# Altium PCB PCB_monitoring_IO.PcbDoc (continued)
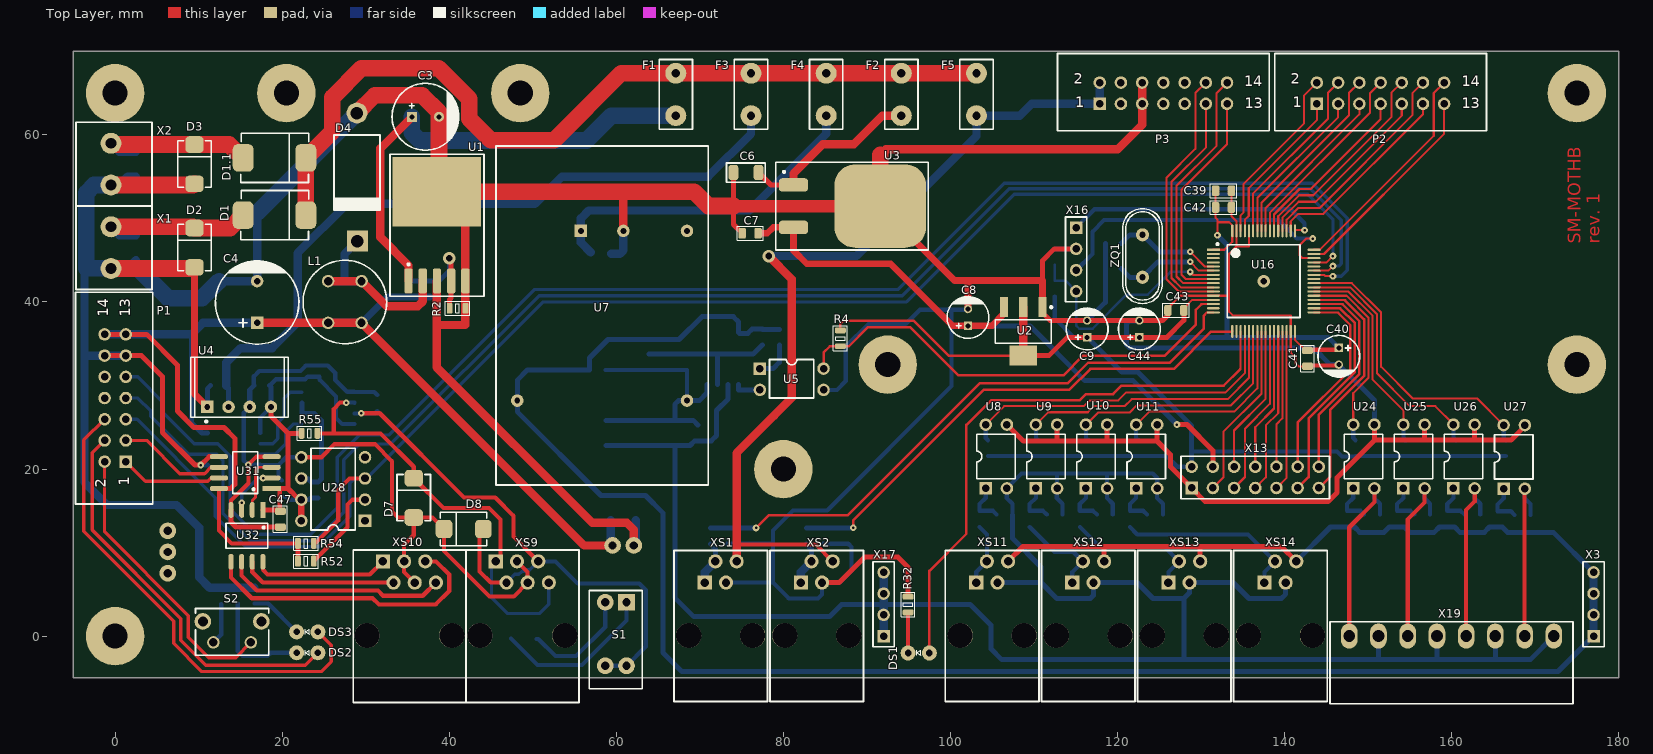
[diagram p0: Top Layer view]
## Nets (pads, with @x,y where several pads share a name; then routed paths per layer and width w, separated by ;. In a path a pad name is that pad's centre, name@x,y a point inside that pad or via, vN(x,y) a via of type N, cw(c..) or ccw(c..) an arc to the next point about the centre after c; other vN are vias at no path point)
1-WIRE1: U16.28 X13.4 | length 19.9
  Top Layer w0.25: X13.4 137.775,19.005 137.775,25.225 139.25,26.7 U16.28
1-WIRE1_T: 
1-WIRE2: U16.29 X13.10 | length 16.5
  Top Layer w0.25: X13.10 139.04,25.365 139.75,26.075 U16.29
1-WIRE2_T: 
1-WIRE3: U16.30 X13.5 | length 19.2
  Top Layer w0.25: X13.5 140.25,18.94 U16.30
1-WIRE3_T: 
3.3V: C9.1 C39.1 C40.1 C41.1 C42.1 C43.1 C44.1 R4.2 R12.1 R14.1 R16.1 R22.1 R41.1 R43.1 R46.1 R47.1 R50.1 U2.2 U2.4 U16.1 U16.13 U16.32 U16.64 X13.14 | length 204.8
  Top Layer w0.25: C43.1 127.95,39.225 128.975,40.25 U16.13 ; U16.1 132.8,46.25 133.75,47.2 U16.64 133.75,49.175 133.375,49.55 131.975,49.55 ; C39.1 C42.1 131.75,50.075 131.975,49.85 v1(131.975,48) ; U16.32 141.25,35.475 142.525,34.2 C41.1
  Top Layer w0.3: R4.2 86.825,37.4 87.2,37.775 95.575,37.775 99.775,33.575 U2.4
  Top Layer w0.5: C41.1 142.825,34.275 146.275,34.275 C40.1
  Top Layer w0.6: U2.4 111.775,33.575 113.975,35.775 C9.1 C44.1 125.925,35.775 127.95,37.8 C43.1
  Top Layer w1: U2.4 U2.2
  Bottom Layer w0.5: R12.1 R22.1 125.875,21.55 127.155,20.27 X13.14 ; R46.1 112.5,38 114.725,35.775 C9.1 ; 128.9,22.1 146.3,22.1 146.9,21.5 148.45,21.5 R41.1 R43.1 R47.1 R50.1
  Bottom Layer w0.6: C9.1 120.525,31.625 122.425,31.625 128.88,25.17 X13.14 ; C44.1 133.1,35.775 ; v1(131.975,48) 133.1,46.875 133.1,35.775 ; C40.1 145.225,35.775 133.1,35.775
3.3V_T: 
5V: C7.2 C8.1 U2.3 U3.2 X13.13 | length 75.1
  Top Layer w0.6: v1(127.125,25.325) 128.325,25.325 131.42,22.23 X13.13
  Top Layer w0.8: C7.2 78.075,48.225 78.785,48.935 U3.2@81.231,48.935 ; U3.2 81.206,46.169 82.8,44.575 92.825,44.575 100.25,37.15 C8.1 104.975,37.15 106.425,38.6 U2.3
  Bottom Layer w0.6: C8.1 109.525,37.15 116.1,30.575 121.875,30.575 v1(127.125,25.325)
5V_BUS: C10.1 C45.1 C46.2 C47.2 R53.2 R55.2 U4.4 U28.7 U28.8 U29.8 U30.1 U31.1 U32.1 | length 48.8
  Top Layer w0.5: C47.2@19.7,15.1 U31.1@19.7,17.67
  Top Layer w0.6: U32.1 19.625,15.1 C47.2 ; U4.4 18.652,26.323 20.7,24.275 ; U31.1 19.7,17.67 20.7,17.67 ; U28.7 22.04,16.33 20.7,17.67 ; R55.2 20.7,24.275 ; 20.7,17.67 20.7,24.275
  Top Layer w0.8: U28.8 U28.7
  Bottom Layer w0.5: U30.1 17.375,26.169 U4.4 ; C10.1@18.75,30.25 19.25,30.75 22.75,30.75 23.05,31.05 C46.2 24.45,30.7 26.45,28.7 26.45,26.125 27.18,25.395 U29.8 ; C45.1 20.35,16.725 20.745,16.33 U28.7
  Bottom Layer w0.6: C10.1 18.652,29.823 U4.4 ; U28.7 23.255,16.33 23.45,16.525 R53.2
5V_CPU: C2.1 C4.1 C48.2 L1.1 P1.13 P1.14 pad.0@59.55,10.85 R1.2 R52.2 R54.2 U30.8 U31.8 | length 150.8
  Top Layer w0.5: U31.8 12.425,12.625 13.95,11.1 R54.2
  Top Layer w0.6: P1.14 3.77,36.12 7.45,32.44 7.45,26.95 9.425,24.975 13.025,24.975 14.325,23.675 14.325,18.175 13.82,17.67 U31.8 ; R52.2 R54.2
  Top Layer w1: C4.1 25.5,37.5 29.5,37.5 56.15,10.85 pad.0@59.55,10.85
  Bottom Layer w0.6: 9.12,36.12 9.12,25.58 10.395,24.305 U30.8
  Bottom Layer w0.8: L1.1@29.5,37.5 32.6,40.6 C2.1 R1.2
  Bottom Layer w1: P1.14 9.12,36.12 10.5,37.5 C4.1 ; L1.1@25.5,37.5 L1.1@29.5,37.5 ; C48.2 59.325,11.075 pad.0@59.55,10.85
5V_T: 
12V: F5.1 P3.1 P3.2 XS1.4 XS2.4 | length 103.9
  Top Layer w0.5: 74.405,10.95 83.9,10.95 XS2.4
  Top Layer w1: XS1.4 74.405,21.905 78.9,26.4 81,28.5 81,42.75 v2(78.25,45.5)
  Bottom Layer w1: v2(78.25,45.5) 88.75,45.5 103.125,59.875 F5.1 108.31,62.31 109.73,63.73 P3.1 P3.2
12V_B: 
12V_EXT: C14.2 R3.1 R5.2 R42.2 R44.2 R48.2 R51.2 U6.8 U7.3 X3.1 X3.2 X3.3 X3.4 XS11.4 XS12.4 XS13.4 XS14.4 | length 282.5
  Top Layer w0.6: XS11.4 108.685,10.725 118.405,10.725 ; XS12.4 118.405,10.725 ; XS13.4 129.905,10.725 ; XS14.4 139.625,10.725 129.905,10.725 ; 118.405,10.725 129.905,10.725
  Bottom Layer w0.6: R3.1 77.5,36.725 R5.2 76.25,36.75 75.75,36.25 74.755,36.25 U6.8 74.655,37.595 74,38.25 70.25,38.25 67.5,35.5 59,35.5 56.8,33.3 C14.2 49.35,31.85 48.14,30.64 48.14,26.86 58.175,16.825 63.5,16.825 65.575,14.75 65.575,-1.975 67.85,-4.25 172.75,-4.25 X3.1 ; XS14.4 145.51,13.05 148.375,13.05 149,12.425 151.925,12.425 152.55,13.05 R44.2 154.375,13.05 155,12.425 157.925,12.425 158.55,13.05 R48.2 160.375,13.05 161,12.425 163.925,12.425 164.55,13.05 R51.2 166.075,13.05 166.7,12.425 172.195,12.425 X3.4
  Bottom Layer w1: X3.1 X3.2 X3.3 X3.4
12V_EXT_T: 
12V_IN1: C1.2 D1.1 D2.2 X1.1 | length 19.9
  Top Layer w2: X1.1 9.35,49 D2.2 13.775,48.85 D1.1
  Bottom Layer w1: X1.1 0.5,48 C1.2
12V_IN2: C5.2 D1.1.1 D3.2 X2.1 | length 19.9
  Top Layer w2: X2.1@-0.5,58.85 D3.2 13.625,58.85 D1.1.1@15.325,57.15
  Bottom Layer w1: X2.1 0.5,58 C5.2
12V_INT: D1.1.2 D1.2 F1.2 F2.2 F3.2 F4.2 F5.2 | length 102.3
  Top Layer w2: D1.2 D1.1.2 26,60.425 26,64.5 29.5,68 38.725,68 42.375,64.35 42.375,61.95 44.95,59.375 52.575,59.375 60.59,67.39 F1.2 F3.2 F4.2 F5.2
A: D7.2 R55.1 R57.1 R58.1 U29.6 XS9.1 XS9.6 | length 53.2
  Top Layer w0.5: R55.1 24.25,24.25 26.175,24.25 ; v1(27.65,27.95) 26.925,27.95 26.175,27.2 26.175,24.25 ; XS9.1 46.15,9.52 46.15,13.95 44.775,15.325 39.325,15.325 D7.2 35.75,20.275 31.775,24.25 26.175,24.25
  Bottom Layer w0.4: XS9.1 45.05,8.42 45.05,4.65 47,2.7 50.8,2.7 51.925,3.825 XS9.6
  Bottom Layer w0.5: v1(27.65,27.95) 28.635,27.95 U29.6
B: D8.1 R56.1 S1.3 S1.4 U29.7 XS9.2 XS9.5 | length 73.6
  Top Layer w0.5: v1(29.45,26.675) 31.675,26.675 41.775,16.575 45.5,16.575 47.675,14.4 47.675,11.925 XS9.5 ; D8.1 43.625,12.375 43.625,7.75 44.97,6.405 XS9.2
  Bottom Layer w0.4: XS9.2 47.84,7.4 48.338,7.4 48.663,7.725 49,7.725 49.225,7.95 49.66,7.95 XS9.5
  Bottom Layer w0.5: U29.7 29.44,26.665 v1(29.45,26.675) 31.1,26.675 R56.1 ; XS9.5 52.73,8.945 55.375,6.3 62.75,6.3 63.525,5.525 63.525,-1.255 S1.4 S1.3
B_OPR1: 
B_OPR2: 
B_OPR3: 
B_OPR4: 
B_OSR1: 
B_OSR2: 
B_OSR3: 
B_OSR4: 
B_OSR5: 
B_OSR6: 
B_OSR7: 
B_OSR8: 
B_OSR9: 
B_OSR10: 
B_OSR11: 
B_OSR12: 
B_OSR13: 
B_OSR14: 
C_OPR1: 
C_OPR2: 
C_OPR3: 
C_OPR4: 
C_OSR1: 
C_OSR2: 
C_OSR3: 
C_OSR4: 
C_OSR5: 
C_OSR6: 
C_OSR7: 
C_OSR8: 
C_OSR9: 
C_OSR10: 
C_OSR11: 
C_OSR12: 
C_OSR13: 
C_OSR14: 
DCI1: 
DCI2: 
DCI3: 
DCI4: 
DCI5: C32.2 U24.2 X19.1 | length 22.4
  Top Layer w0.5: X19.1 147.75,13.025 150.77,16.045 U24.2
  Bottom Layer w0.5: U24.2 150.737,17.657 150.737,16.546 151.437,15.846 C32.2@151.437,14.546
DCI6: C34.2 U25.2 X19.3 | length 22
  Top Layer w0.5: X19.3 154.75,13.975 156.77,15.995 U25.2
  Bottom Layer w0.5: U25.2 156.737,17.657 156.737,16.546 157.437,15.846 C34.2@157.437,14.546
DCI7: C36.2 U26.2 X19.5 | length 21.6
  Top Layer w0.5: X19.5 161.75,15.1 162.77,16.12 U26.2
  Bottom Layer w0.5: U26.2 162.737,17.657 162.737,16.546 163.437,15.846 C36.2@163.437,14.546
DCI8: C38.2 U27.2 X19.7 | length 21.1
  Top Layer w0.5: X19.7 168.75,17.611 U27.2
  Bottom Layer w0.5: U27.2 168.75,17.611 168.75,16.5 169.45,15.8 C38.2
DI1: R13.2 XS11.1 XS11.2 | length 7.5
  Bottom Layer w0.5: XS11.1 103.095,7.675 XS11.2 104.375,8.955 104.375,12.175 R13.2
DI2: R15.2 XS12.1 XS12.2 | length 11.1
  Bottom Layer w0.5: R15.2 112.45,10.1 114.71,10.1 XS12.2 114.595,7.675 XS12.1
DI3: R19.2 XS13.1 XS13.2 | length 16.6
  Bottom Layer w0.5: R19.2 117.8,10.75 125.56,10.75 XS13.2 126.095,7.675 XS13.1
DI4: R23.2 XS14.1 XS14.2 | length 22.1
  Bottom Layer w0.5: R23.2 122.375,12.175 135.635,12.175 XS14.2 137.595,7.675 XS14.1
DI5: 
DI6: 
DI7: 
DI8: 
FA: U32.8 XS10.1 | length 16.2
  Top Layer w0.5: U32.8 17.68,7.945 18.25,7.375 30.48,7.375 XS10.1
FB\: U32.7 XS10.2 | length 18.7
  Top Layer w0.5: U32.7 16.41,7.665 17.67,6.405 XS10.2
FY: U32.5 XS10.5 | length 35.5
  Top Layer w0.5: U32.5 13.87,7.005 16.35,4.525 30.825,4.525 31.575,3.775 38.375,3.775 40,5.4 40,7.375 38.43,8.945 XS10.5
FZ\: U32.6 XS10.6 | length 26.6
  Top Layer w0.5: U32.6 15.14,7.26 16.95,5.45 31.45,5.45 32.075,4.825 36.82,4.825 XS10.6
GND: C1.1 C3.2 C4.2 C5.1 C6.1 C7.1 C8.2 C9.2 C11.2 C12.1 C20.2 C21.2 C28.1 C30.1 C35.2 C39.2 C40.2 C41.2 C42.2 C43.2 C44.2 C48.1 D2.1 D3.1 D4.1 P1.11 P1.12 P3.5 P3.6 pad.1 R2.1 R20.2 R21.2 R32.2 R59.2 R60.2 R61.2 U1.3 U1.5 U1.6 U2.1 U3.3 U4.1 U5.3 U7.2 U8.3 U9.3 U10.3 U11.3 U16.12 U16.31 U16.60 U16.63 U24.3 U25.3 U26.3 U27.3 U30.5 U31.5 X1.2 X2.2 X13.1 X16.2 XS1.3 XS2.3 | length 742.3
  Top Layer w0.25: C43.2 126.05,39.275 127.525,40.75 U16.12 133.375,40.75 ; C39.2 C42.2 133.65,50.25 134.25,49.65 U16.63 134.25,46.65 ; U16.60 135.75,46.65 134.25,46.65 ; C41.2 141.7,32.3 141.325,32.675 141.325,33.358 140.75,33.933 U16.31 140.75,38.4 133.8,38.4 133.375,38.825 133.375,40.75 ; 133.375,40.75 133.375,45.775 134.25,46.65
  Top Layer w0.5: C41.2 142.85,32.4 146.4,32.4 C40.2
  Top Layer w0.6: P1.12 3.145,33.58 5.675,31.05 5.675,24.35 9.55,20.475 v1(10.25,20.475) 11.255,21.48 U31.5 ; 74.025,51.475 74.025,49.275 C7.1 ; 74.025,51.5 C6.1 ; XS2.3 86.68,6.405 89.725,9.45 93.725,9.45 94.925,8.25 R32.2 ; U8.3 108.73,23.35 112.725,23.35 ; U2.1 111.025,38.7 111.95,37.775 C9.2 C44.2 125.4,37.775 126.05,38.425 C43.2 ; 111.025,42.575 111.025,44.95 112.435,46.36 X16.2 ; U9.3 112.77,23.395 112.725,23.35 ; U10.3 118.77,23.355 118.775,23.35 ; U11.3 124.725,25.265 124.725,23.35 ; U24.3 150.77,23.45 ; U25.3 156.77,23.47 156.75,23.45 ; U26.3 162.77,23.48 162.8,23.45 ; U27.3 168.783,25.108 167.125,23.45 162.8,23.45 ; 112.725,23.35 118.775,23.35 ; 118.775,23.35 124.725,23.35 ; 124.725,23.35 126.35,21.725 126.35,20.26 X13.1 130.51,16.1 145.2,16.1 146.3,17.2 146.3,18.98 150.77,23.45 ; 150.77,23.45 156.75,23.45 ; 156.75,23.45 162.8,23.45
  Top Layer w0.8: D2.1 9.5,28.978 U4.1 ; U3.3 100.494,42.575 102.1,42.575 ; C8.2 102.1,42.575 ; U2.1 111.025,42.575 102.1,42.575
  Top Layer w1: U1.3 38.5,42.5 38.5,37.25 ; U1.6 41.925,49.8 U1.5 41.925,37.25 38.5,37.25 ; U7.2 60.84,53.19 60.85,53.2 ; pad.1 62.1,12.725 61.275,13.55 57.125,13.55 38.5,32.175 38.5,37.25 ; 91.594,57.594 92.275,58.275 120.025,58.275 122.96,61.21 P3.5 P3.6
  Top Layer w1.5: 74.025,51.475 U3.3
  Top Layer w2: X1.2 9.35,44 D2.1 ; X2.2 9.35,54 D3.1 ; D4.1 31.08,64.75 36.75,64.75 38.775,62.725 C3.2 38.775,53.45 U1.6 60.85,53.2 ; 60.84,53.19 69.335,53.19 71.025,51.5 74.025,51.5 ; U3.3 91.594,57.594
  Bottom Layer w0.5: XS1.3 78.75,6.405 ; R20.2 C20.2 78.75,11.05 ; R21.2 C21.2 87.775,11.05 88.175,10.65 88.175,7.825 86.755,6.405 XS2.3 84.635,4.985 84.15,4.5 80.655,4.5 78.75,6.405 ; U5.3@84.89,29.4 U5.3 86.405,29.48 87.475,30.55 87.475,34.675 90.175,37.375 94.65,37.375 96.35,39.075 100.15,39.075 ; C8.2 102.025,39.075 100.15,39.075 ; 78.75,6.405 78.75,11.05 ; 78.75,11.05 78.75,12.65 81.15,15.05 85.25,15.05 100.15,29.95 100.15,39.075
  Bottom Layer w0.6: v1(10.25,20.475) 10.27,20.495 U30.5 ; U4.1 11.032,29.607 C11.2 ; C35.2 115.04,46.35 X16.2 ; C9.2 118.55,39.95 C30.1 C28.1 ; C44.2 122.575,37.725 121.425,37.725 121.1,37.4 121.1,34.875 121.475,34.5 143.475,34.5 145.475,32.5 C40.2 150.77,28.23 U24.3
  Bottom Layer w1: -3.45,44.025 -3.675,43.8 -3.675,33.58 ; X1.2 1.5,44 C1.1 ; X2.2 0.5,54 1.5,55 C5.1 ; P1.11 P1.12 -3.675,33.58 ; 12.45,42.5 C4.2 17,50.67 ; R61.2 R59.2 R60.2 11.35,5.8 11.325,5.775 10.05,7.05 10.05,13 7.35,15.7 -0.975,15.7 -3.675,18.4 -3.675,33.58 ; C12.1@59.375,45.801 59.401,45.775 60.425,45.775 60.84,46.19 U7.2 ; pad.1 62.325,11.075 C48.1
  Bottom Layer w2: X2.2 -2.525,54 -3.45,53.075 -3.45,44.025 2.725,44.025 6.3,40.45 10.4,40.45 12.45,42.5 ; 17,50.67 D4.1
  other v2: 137.5,42.499
GND_B: 
GND_BUS: C10.2 C45.2 C46.1 C47.1 D7.1 D8.2 R56.2 U4.3 U28.5 U29.5 U30.4 U31.4 U32.4 XS9.3 XS9.4 XS10.3 XS10.4 | length 107.3
  Top Layer w0.5: U32.4 13.87,16.22 15.95,18.3 v1(15.95,20.525) 16.905,21.48 U31.4 ; U28.5 24.685,21.41 26.25,22.975 31.1,22.975 33.15,20.925 33.15,14.9 33.85,14.2 D7.1 ; XS10.4 34.59,7.675 XS10.3 34.59,10.915 35.75,12.075 D7.1 ; XS9.3 49.385,7.675 XS9.4 47.73,4.75 44.8,4.75 39.375,10.175 D8.2 38,14.2 D7.1
  Top Layer w0.6: U32.4 13.87,13.655 14.475,13.05 C47.1
  Bottom Layer w0.5: U4.3 15.4,26.734 15.4,21 15.875,20.525 17.345,20.525 U30.4 19.57,20.495 ; C10.2 16.6,31.1 17.25,31.75 22.175,31.75 22.825,32.4 25.45,32.4 26.35,31.5 C46.1 26.35,30.675 27.775,29.25 U29.5@28.605,29.25 ; C45.2 19.57,19.005 19.57,20.495 ; U28.5 20.485,21.41 19.57,20.495 ; U29.5 31.02,29.205 R56.2
  Bottom Layer w0.6: U4.3 16.112,29.487 C10.2
GND_EXT: C15.2 C16.2 C17.2 C18.2 C19.2 R6.2 R7.2 R10.2 R11.2 U6.2 U8.2 U9.2 U10.2 U11.2 X17.1 X17.2 X17.3 X17.4 X19.2 X19.4 X19.6 X19.8 XS11.3 XS12.3 XS13.3 XS14.3 | length 263.1
  Bottom Layer w0.5: C16.2@107.437,14.546 107.437,15.846 106.737,16.546 106.737,17.657 U8.2 106.77,17.72 108.5,19.45 112.775,19.45 ; C17.2@113.437,14.546 113.437,15.846 112.737,16.546 112.737,17.657 U9.2 112.77,19.445 112.775,19.45 ; C18.2@119.437,14.546 119.437,15.846 118.737,16.546 118.737,17.657 U10.2 118.75,17.71 118.75,19.45 ; C19.2@125.437,14.546 125.437,15.846 124.737,16.546 124.737,17.657 U11.2 124.77,18.905 124.225,19.45 118.75,19.45 ; 112.775,19.45 118.75,19.45
  Bottom Layer w0.6: R10.2 R11.2 R6.2 R7.2 ; U6.2 73.385,28.385 72,27 72,24 71.375,23.375 C15.2 69.375,23.375 68.825,22.825 R7.2 ; XS11.3 110.845,6.405 ; C16.2 107.45,11.675 110.845,8.28 110.845,6.405 ; XS14.3 140.135,5.01 139.625,4.5 135.75,4.5 133.845,6.405 XS13.3 128.635,5.185 127.95,4.5 ; X19.2 151.25,-2.8 151.225,-2.825 ; X19.4 158.25,-2.825 ; X19.6 165.25,-2.8 165.275,-2.825 ; X19.8 169.425,-2.825 165.275,-2.825 ; R7.2 67,4.6 69.275,2.325 85.525,2.325 86.975,3.775 92,3.775 102.375,3.775 104.85,1.3 104.85,-1.525 106.15,-2.825 127.95,-2.825 ; 110.845,6.405 112.75,4.5 116.75,4.5 117.135,4.885 XS12.3 122.345,6.405 124.25,4.5 127.95,4.5 ; 127.95,-2.825 127.95,4.5 ; 127.95,-2.825 151.225,-2.825 ; 151.225,-2.825 158.25,-2.825 ; 158.25,-2.825 165.275,-2.825
  Bottom Layer w1: X17.1 X17.2 92,3.775 X17.4
GND_EXT_T: 
GND_OD: C13.1 C14.1 C15.1 R6.1 R7.1 R8.1 R9.1 R10.1 R11.1 U6.4 U7.4 | length 32
  Bottom Layer w0.5: C14.1 68.46,31.85 U7.4
  Bottom Layer w0.6: R10.1 R11.1 R6.1 R7.1 ; C15.1 69.2,25.825 R7.1 ; U6.4 70.845,29.095 69.94,28.19 U7.4 67.44,28.19 67,27.75 R7.1
GND_T: 
IN_A1: C20.1 R17.1 R20.1 U16.16 | length 71.8
  Top Layer w0.25: 130.425,38.45 130.425,38.475 130.7,38.75 U16.16
  Top Layer w0.3: v1(76.725,12.95) 78.225,14.45 87.7,14.45 103.5,30.25 114,30.25 116.5,32.75 126.275,32.75 130.35,36.825 130.35,38.375 130.425,38.45
  Bottom Layer w0.6: R17.1 R20.1 C20.1 v1(76.725,12.95)
IN_A2: C21.1 R18.1 R21.1 U16.17 | length 61.3
  Top Layer w0.3: v1@88.388,12.938 88.388,13.888 104,29.5 114.25,29.5 116.75,32 126.75,32 131.2,36.45 133.7,36.45 U16.17@133.725,36.475
  Bottom Layer w0.6: R18.1 R21.1 C21.1 88.325,12.95 v1(88.35,12.975)
IN_ADC1: R17.2 XS1.1 XS1.2 | length 5.4
  Bottom Layer w0.6: R17.2 71.865,10.435 XS1.2
  Bottom Layer w1: XS1.1 70.595,7.675 XS1.2
IN_ADC2: R18.2 XS2.1 XS2.2 | length 5.4
  Bottom Layer w0.6: R18.2 83.365,10.435 XS2.2
  Bottom Layer w1: XS2.1 82.095,7.675 XS2.2
IN_D1: R12.2 U8.4 U16.20 | length 40.5
  Top Layer w0.25: U8.4 106.445,27.525 115.975,27.525 116.675,28.225 120.1,28.225 121.05,29.175 132.95,29.175 135.25,31.475 U16.20
  Bottom Layer w0.5: U8.4 104.23,23.72 R12.2
IN_D2: R14.2 U9.4 U16.21 | length 35.4
  Top Layer w0.25: U9.4 111.72,26.8 116.45,26.8 117.175,27.525 120.85,27.525 121.7,28.375 133.2,28.375 135.75,30.925 U16.21
  Bottom Layer w0.5: U9.4 110.23,23.72 R14.2
IN_D3: R16.2 U10.4 U16.22 | length 30.2
  Top Layer w0.25: U10.4 117.695,26.775 121.475,26.775 122.325,27.625 133.6,27.625 136.25,30.275 U16.22
  Bottom Layer w0.5: U10.4 116.23,23.72 R16.2
IN_D4: R22.2 U11.4 U16.23 | length 25.1
  Top Layer w0.25: U11.4 123.795,26.875 133.975,26.875 136.75,29.65 U16.23
  Bottom Layer w0.5: U11.4 122.23,23.72 R22.2
IN_D5: U16.24 X13.2 | length 21.2
  Top Layer w0.25: X13.2 132.675,18.985 132.675,24.45 137.25,29.025 U16.24
IN_D5_T: 
IN_D6: U16.25 X13.12 | length 17.8
  Top Layer w0.25: X13.12 133.96,24.61 137.75,28.4 U16.25
IN_D6_T: 
IN_D7: U16.26 X13.3 | length 20.5
  Top Layer w0.25: X13.3 135.275,19.045 135.275,24.825 138.25,27.8 U16.26
IN_D7_T: 
IN_D8: U16.27 X13.11 | length 17.1
  Top Layer w0.25: X13.11 136.5,25 138.75,27.25 U16.27
IN_D8_T: 
ISR1: U16.33 X13.9 | length 24.6
  Top Layer w0.25: U16.33 146.367,38.75 146.408,38.708
  Top Layer w0.3: X13.9 141.58,25.555 147.875,31.85 147.875,37.242 146.408,38.708
ISR1_T: 
ISR2: U16.34 X13.6 | length 28.2
  Top Layer w0.25: U16.34 146.644,39.25
  Top Layer w0.3: X13.6 142.875,19.025 142.875,26.056 148.425,31.606 148.425,37.469 146.67,39.224
ISR2_T: 
ISR3: U16.35 X13.8 | length 25.7
  Top Layer w0.25: U16.35 146.9,39.75 146.925,39.725
  Top Layer w0.3: X13.8 144.12,26.523 148.975,31.378 148.975,37.697 146.947,39.725 146.925,39.725
ISR3_T: 
ISR4: U16.36 X13.7 | length 29.4
  Top Layer w0.25: U16.36 147.2,40.25 147.25,40.2
  Top Layer w0.3: X13.7 145.45,19.06 145.45,27.075 149.525,31.15 149.525,37.925 147.25,40.2
ISR4_T: 
ISR5: R41.2 U16.37 U24.4 | length 23.2
  Top Layer w0.25: U16.37 147.442,40.75 150.05,38.142 150.05,30.9 148.23,29.08 U24.4
  Bottom Layer w0.5: U24.4 148.23,23.72 R41.2
ISR6: R43.2 U16.38 U25.4 | length 24.8
  Top Layer w0.25: U16.38 147.65,41.25 150.55,38.35 150.55,30.7 154.23,27.02 U25.4
  Bottom Layer w0.5: U25.4 154.23,23.72 R43.2
ISR7: R47.2 U16.39 U26.4 | length 29.7
  Top Layer w0.25: U16.39 147.857,41.75 151.075,38.532 151.075,31.45 155,27.525 158.05,27.525 160.23,25.345 U26.4
  Bottom Layer w0.5: U26.4 160.23,23.72 R47.2
ISR8: R50.2 U16.40 U27.4 | length 35.5
  Top Layer w0.25: U16.40 148.064,42.25 151.575,38.739 151.575,32.25 155.375,28.45 163.057,28.45 U27.4
  Bottom Layer w0.5: U27.4 166.243,23.674 R50.2@166.513,23.404
LED_OD: DS1.1 U16.19 | length 69.2
  Top Layer w0.25: 134.75,32.025 U16.19
  Top Layer w0.3: DS1.1 97.475,7.8 101.925,12.25 101.925,25.275 104.9,28.25 115.5,28.25 116.225,28.975 119.475,28.975 120.5,30 132.725,30 134.725,32
NetC2_2: C2.2 R1.1 R2.2 U1.4 | length 13
  Top Layer w0.6: v2(40,45.25) 40.225,45.025 U1.4 40.225,40.475 40.05,40.3 R2.2
  Bottom Layer w0.6: C2.2 R1.1 38.75,42.5 40,43.75 v2(40,45.25)
NetC3_1: C3.1 F1.1 U1.1 | length 57.8
  Top Layer w1: U1.1 35.125,44.375 31.75,47.75 31.75,58.4 C3.1
  Bottom Layer w2: C3.1 35.525,60.25 36.45,59.325 56.425,59.325 59.41,62.31 F1.1
NetC6_2: C6.2 F2.1 U3.1 | length 22
  Top Layer w0.6: C6.2 78.51,54.015 U3.1
  Top Layer w1: U3.1 81.206,55.381 84.725,58.9 88.45,58.9 91.86,62.31 F2.1
NetC11_1: C11.1 F3.1 U4.2 | length 86.6
  Bottom Layer w0.6: C11.1 13.572,29.703 U4.2
  Bottom Layer w1: C11.1 13.3,32.75 15.025,34.475 18.8,34.475 21.85,37.525 21.85,45.85 27.75,51.75 50.25,51.75 53.5,55 71,55 76.125,60.125 F3.1
NetC12_2: C12.2 F4.1 U7.1 | length 40.3
  Bottom Layer w1: C12.2@56.941,45.941 55.76,47.121 U7.1 55.76,50.01 56.7,50.95 75.95,50.95 85.125,60.125 F4.1
NetC13_2: C13.2 R5.1 R8.2 R9.2 U6.3 | length 17.6
  Bottom Layer w0.6: R8.2 R9.2 C13.2 72.115,33.75 ; U6.3 72.115,33.75 ; R5.1 76.375,33.75 72.115,33.75
NetC16_1: C16.1 R13.1 U8.1 | length 5.2
  Bottom Layer w0.5: U8.1 104.23,16.539 103.487,15.796 103.487,14.996 105.087,14.996 C16.1@105.537,14.546
NetC17_1: C17.1 R15.1 U9.1 | length 5.2
  Bottom Layer w0.5: U9.1 110.23,16.539 109.487,15.796 109.487,14.996 111.087,14.996 C17.1@111.537,14.546
NetC18_1: C18.1 R19.1 U10.1 | length 5.2
  Bottom Layer w0.5: U10.1 116.23,16.539 115.487,15.796 115.487,14.996 117.087,14.996 C18.1@117.537,14.546
NetC19_1: C19.1 R23.1 U11.1 | length 5.2
  Bottom Layer w0.5: U11.1 122.23,16.539 121.487,15.796 121.487,14.996 123.087,14.996 C19.1@123.537,14.546
NetC22_1: 
NetC23_1: 
NetC24_1: 
NetC25_1: 
NetC26_1: 
NetC27_1: 
NetC28_2: C28.2 U16.5 ZQ1.2 | length 13
  Top Layer w0.25: v1(128.7,46) 128.721,46 130.471,44.25 U16.5
  Bottom Layer w0.6: C28.2 121.49,48.04 ZQ1.2 125.04,46 v1(128.7,46)
NetC29_1: 
NetC30_2: C30.2 U16.6 ZQ1.1 | length 12.7
  Top Layer w0.25: v1(128.7,44.8) 129.75,43.75 U16.6
  Bottom Layer w0.6: C30.2 121.49,42.96 ZQ1.1 124.84,44.8 v1(128.7,44.8)
NetC31_1: 
NetC32_1: C32.1 R42.1 U24.1 | length 5.2
  Bottom Layer w0.5: U24.1 148.23,16.539 147.487,15.796 147.487,14.996 149.087,14.996 C32.1@149.537,14.546
NetC34_1: C34.1 R44.1 U25.1 | length 5.2
  Bottom Layer w0.5: U25.1 154.23,16.539 153.487,15.796 153.487,14.996 155.087,14.996 C34.1@155.537,14.546
NetC36_1: C36.1 R48.1 U26.1 | length 5.2
  Bottom Layer w0.5: U26.1 160.23,16.539 159.487,15.796 159.487,14.996 161.087,14.996 C36.1@161.537,14.546
NetC38_1: C38.1 R51.1 U27.1 | length 5.2
  Bottom Layer w0.5: U27.1 166.243,16.493 165.5,15.75 R51.1 167.1,14.95 C38.1
NetD4_2: D4.2 L1.2 U1.2 | length 24.7
  Top Layer w1: L1.2@25.5,42.5 29.5,42.5 32.5,39.5 36.25,39.5 36.825,40.075 U1.2
  Bottom Layer w1: L1.2@25.5,42.5 27.45,42.5 ; D4.2 27.45,45.75 27.45,42.5 ; L1.2@29.5,42.5 27.45,42.5
NetDS1_2: DS1.2 R32.1 | length 4.9
  Top Layer w0.5: R32.1 94.925,-2.015 DS1.2
NetDS2_1: DS2.1 P1.4 | length 47.2
  Top Layer w0.4: P1.4 -2.75,21.94 -2.75,12.7 7.85,2.1 7.85,-0.525 10.825,-3.5 22.77,-3.5 DS2.1
NetDS2_2: DS2.2 R59.1 | length 13.1
  Bottom Layer w0.5: R59.1 14.675,-1.8 15.25,-2.375 18.25,-2.375 18.625,-2 DS2.2
NetDS3_1: DS3.1 P1.6 | length 57.3
  Top Layer w0.4: P1.6 -3.75,23.48 -3.75,12.525 7,1.775 7,-0.875 10.375,-4.25 24.675,-4.25 25.875,-3.05 25.875,-1.105 DS3.1
NetDS3_2: DS3.2 R61.1 | length 6.5
  Bottom Layer w0.5: R61.1 18.33,3.9 DS3.2
NetK1_1: 
NetK1_7: 
NetK2_1: 
NetK2_7: 
NetK3_1: 
NetK3_7: 
NetK4_1: 
NetK4_7: 
NetK5_1: 
NetK5_7: 
NetK6_1: 
NetK6_7: 
NetK7_1: 
NetK7_7: 
NetK8_1: 
NetK8_7: 
NetK9_1: 
NetK9_7: 
NetK10_1: 
NetK10_7: 
NetK11_1: 
NetK11_7: 
NetK12_1: 
NetK12_7: 
NetK13_1: 
NetK13_7: 
NetK14_1: 
NetK14_7: 
NetK15_3: 
NetK15_4: 
NetK15_5: 
NetK16_3: 
NetK16_4: 
NetK16_5: 
NetK17_3: 
NetK17_4: 
NetK17_5: 
NetK18_3: 
NetK18_4: 
NetK18_5: 
NetP1_2: P1.2 S2.2 | length 34.4
  Top Layer w0.4: P1.2 -1.27,12.47 8.75,2.45 8.75,-0.15 11.175,-2.575 14.425,-2.575 S2.2
NetR3_2: R3.2 U5.1 | length 4.7
  Bottom Layer w0.6: U5.1 78.77,32.02 79.525,32.775 R3.2
NetR52_1: R52.1 U28.2 | length 10.8
  Top Layer w0.5: R52.1 27.825,13.025 27.825,15.75 28.405,16.33 U28.2
NetR53_1: R53.1 U28.6 U29.2 U29.3 | length 13.7
  Bottom Layer w0.6: U28.6 23.03,18.87 23.475,18.425 R53.1 24.675,18.8 24.675,25.825 23.835,26.665 U29.2 U29.3
NetR57_2: R57.2 S1.1 | length 19.6
  Bottom Layer w0.5: R57.2 50.55,-3.475 55.875,-3.475 61.22,1.87 S1.1
NetR58_2: R58.2 S1.2 | length 13.5
  Bottom Layer w0.5: R58.2 50.65,-0.35 52.7,-2.4 55.175,-2.4 58.68,1.105 S1.2
NetR60_1: R60.1 S2.1 | length 5
  Bottom Layer w0.5: S2.1 12.7,0.2 R60.1@12.7,3.85
NetU5_2: U5.2 U6.1 | length 3.2
  Bottom Layer w0.6: U6.1 74.655,29.48 U5.2
NetU29_1: U29.1 U30.3 | length 7.3
  Bottom Layer w0.4: U30.3 19.165,21.765 20.425,23.025 20.425,24.45 21.37,25.395 U29.1
NetU29_4: U29.4 U30.2 | length 9.9
  Bottom Layer w0.4: U30.2 18.86,23.035 19.475,23.65 19.475,25.525 20.25,26.3 20.25,28.5 20.955,29.205 U29.4
NetU31_2: U31.2 U32.3 | length 5.3
  Top Layer w0.4: U32.3 15.14,15.965 v1(15.15,15.975)
  Bottom Layer w0.4: v1(15.15,15.975) 15.15,17 17.075,18.925 v1(17.7,18.925)
NetU31_3: U31.3 U32.2 | length 7
  Top Layer w0.35: U32.2 16.41,16.235 16.825,16.65 16.825,19.875 17.16,20.21 U31.3
NRST: C35.1 R46.2 U16.7 X16.4 | length 28.6
  Top Layer w0.25: v1(128.7,43.6) 129.05,43.25 U16.7
  Bottom Layer w0.3: C35.1 R46.2 113.78,42.55 X16.4 115.05,37.175 115.425,36.8 117.025,36.8 121.1,40.875 123.625,40.875 126.35,43.6 v1(128.7,43.6)
OD: R4.1 U5.4 U16.14 | length 56.8
  Top Layer w0.25: 130.075,39.725 130.1,39.75 U16.14
  Top Layer w0.3: U5.4 84.81,33.935 85.55,34.675 87.825,34.675 90.15,37 95.15,37 100.95,31.2 113.525,31.2 115.9,33.575 125.675,33.575 129.4,37.3 129.4,39.075 130.05,39.725 130.075,39.725
OPR1: P3.13 U16.8 | length 26.7
  Top Layer w0.25: U16.8 128.2,42.75 127.675,43.275 127.675,53.45 133.12,58.895 P3.13
OPR2: P3.14 U16.9 | length 30.5
  Top Layer w0.25: U16.9 127.875,42.25 127.075,43.05 127.075,53.9 131.875,58.7 131.875,65.025 P3.14
OPR3: P3.11 U16.10 | length 28
  Top Layer w0.25: P3.11 130.58,58.48 126.475,54.375 126.475,42.875 127.6,41.75 U16.10
OPR4: P3.12 U16.11 | length 31.7
  Top Layer w0.25: P3.12 129.325,65.015 129.325,58.325 125.875,54.875 125.875,42.725 127.35,41.25 U16.11
OSR1: P2.13 U16.47 | length 25.1
  Top Layer w0.25: U16.47 144.725,45.75 159.12,60.145 P2.13
OSR2: P2.14 U16.48 | length 26.9
  Top Layer w0.25: U16.48 144.225,46.25 157.875,59.9 157.875,65.025 P2.14
OSR3: P2.11 U16.50 | length 23.5
  Top Layer w0.25: U16.50 140.75,49.65 141.65,50.55 144.646,50.55 156.58,62.484 P2.11
OSR4: P2.12 U16.51 | length 26
  Top Layer w0.25: U16.51 140.25,49.857 141.643,51.25 144.2,51.25 155.35,62.4 155.35,65.04 P2.12
OSR5: P2.9 U16.52 | length 22.3
  Top Layer w0.25: U16.52 139.75,50.064 141.686,52 143.725,52 154.04,62.315 P2.9
OSR6: P2.10 U16.53 | length 24.9
  Top Layer w0.25: U16.53 139.25,50.271 141.754,52.775 143.45,52.775 152.8,62.125 152.8,65.03 P2.10
OSR7: P2.7 U16.54 | length 21.3
  Top Layer w0.25: U16.54 138.75,50.478 141.797,53.525 143.125,53.525 151.5,61.9 P2.7
OSR8: P2.8 U16.55 | length 23.2
  Top Layer w0.25: U16.55 138.25,50.686 150.25,62.686 150.25,65.02 P2.8
OSR9: P2.5 U16.56 | length 19.8
  Top Layer w0.25: U16.56 137.75,51.25 148.96,62.46 P2.5
OSR10: P2.6 U16.57 | length 22.6
  Top Layer w0.25: U16.57 137.25,51.9 147.725,62.375 147.725,65.035 P2.6
OSR11: P2.3 U16.58 | length 19.2
  Top Layer w0.25: U16.58 136.75,52.45 146.42,62.12 P2.3
OSR12: P2.4 U16.59 | length 22
  Top Layer w0.25: U16.59 136.25,53 145.225,61.975 145.225,65.075 P2.4
OSR13: P2.1 U16.61 | length 18.8
  Top Layer w0.25: U16.61 135.25,49.825 135.725,50.3 135.725,53.625 143.88,61.78 P2.1
OSR14: P2.2 U16.62 | length 21.5
  Top Layer w0.25: U16.62 134.75,50.375 135.1,50.725 135.1,54.15 142.35,61.4 142.35,64.74 P2.2
SWCLK: U16.49 X16.1 | length 31
  Top Layer w0.25: U16.49 141.325,48.6 v1(142.4,48.6)
  Bottom Layer w0.5: X16.1 117.25,51.1 140.725,51.1 142.4,49.425 v1(142.4,48.6)
SWDIO: U16.46 X16.3 | length 38.3
  Top Layer w0.25: v1(143.4,47.6) 142.6,47.6 141.8,46.8 141.8,45.6 142.15,45.25 U16.46
  Bottom Layer w0.5: X16.3 115.07,43.8 117,45.73 117,48.4 118.4,49.8 139.275,49.8 141.475,47.6 v1(143.4,47.6)
USART1_DE: P1.5 R54.1 U16.45 U28.3 | length 191.6
  Top Layer w0.25: U16.45 145.05,44.75 v1(145.8,45.5)
  Top Layer w0.5: R54.1@23.863,11.013 26.7,13.85 26.7,17.5 28.07,18.87 U28.3
  Bottom Layer w0.4: P1.5 2.615,25.96 12,16.575 12,14.325 15.65,10.675 24.425,10.675 28.1,14.35 28.1,18.3 28.67,18.87 U28.3 30.12,18.87 51.25,40 94.75,40 107.65,52.9 142.787,52.9 145.8,49.887 v1(145.8,45.5)
USART1_RX: P1.7 U16.43 U30.6 | length 188.2
  Top Layer w0.25: U16.43 145.25,43.75 v1(145.8,44.3)
  Bottom Layer w0.4: P1.7 2.7,28.5 4.25,26.95 4.25,26.325 8.81,21.765 U30.6 12.185,21.765 12.9,21.05 12.9,14.725 16.2,11.425 23.925,11.425 27.35,14.85 27.35,21.089 29.261,23 33,23 50.75,40.75 94.25,40.75 107.05,53.55 143.056,53.55 146.8,49.806 146.8,44.6 146.5,44.3 v1(145.8,44.3)
USART1_TX: P1.9 U16.42 U30.7 | length 191.7
  Top Layer w0.25: U16.42 144.75,43.25 144.9,43.1 v1(145.8,43.1)
  Bottom Layer w0.4: P1.9 2.685,31.04 5.65,28.075 5.65,26.85 9.465,23.035 U30.7 12.265,23.035 13.775,21.525 13.775,15.175 16.775,12.175 23.425,12.175 26.6,15.35 26.6,21.4 29.275,24.075 32.825,24.075 50.25,41.5 93.75,41.5 106.45,54.2 143.325,54.2 147.5,50.025 147.5,43.8 146.8,43.1 v1(145.8,43.1)
USART2_RX: P1.3 U31.6 | length 13.1
  Top Layer w0.4: P1.3 3.77,23.42 7.74,19.45 10.7,19.45 11.46,20.21 U31.6
USART2_TX: P1.1 U31.7 | length 12.3
  Top Layer w0.4: P1.1 3.625,18.525 11.075,18.525 11.49,18.94 U31.7
pads on no net: P1.8 P1.10 P3.3 P3.4 P3.7 P3.8 P3.9 P3.10 S2.0 U6.5 U6.6 U6.7 U7.5 U16.2 U16.3 U16.4 U16.15 U16.18 U16.41 U16.44 U28.1 U28.4 XS1.0 XS2.0 XS9.0 XS10.0 XS11.0 XS12.0 XS13.0 XS14.0

## Other copper
Top Layer:
  text "SM-MOTHB" at 175.475,46.95 h1.52 r90
  text "rev. 1" at 177.75,46.95 h1.52 r90

## Silkscreen, mask and mechanical layers (free items; w line width, h text height)
Mechanical 3:
  the board outline again, w0.2
Mechanical 4:
  lines w0.2: 66.5,-5 180,-5 180,27.5 66.5,27.5 66.5,-5

## Text inside footprints (layer, text, board x,y; h text height)
P1: Top Overlay "14" at -0.8,38.205 h1.27 r90; Top Overlay "13" at 1.8,38.23 h1.27 r90; Top Overlay "2" at -1.1,17.77 h1.27 r90; Top Overlay "1" at 1.7,17.97 h1.27 r90
P2: Top Overlay "14" at 161.205,65.8 h1.27; Top Overlay "13" at 161.23,63.2 h1.27; Top Overlay "2" at 140.77,66.1 h1.27; Top Overlay "1" at 140.97,63.3 h1.27
P3: Top Overlay "14" at 135.205,65.8 h1.27; Top Overlay "13" at 135.23,63.2 h1.27; Top Overlay "2" at 114.77,66.1 h1.27; Top Overlay "1" at 114.97,63.3 h1.27